# Altium PCB PCB_ovladaci_karta.PcbDoc (part 1 of 4) (continued)
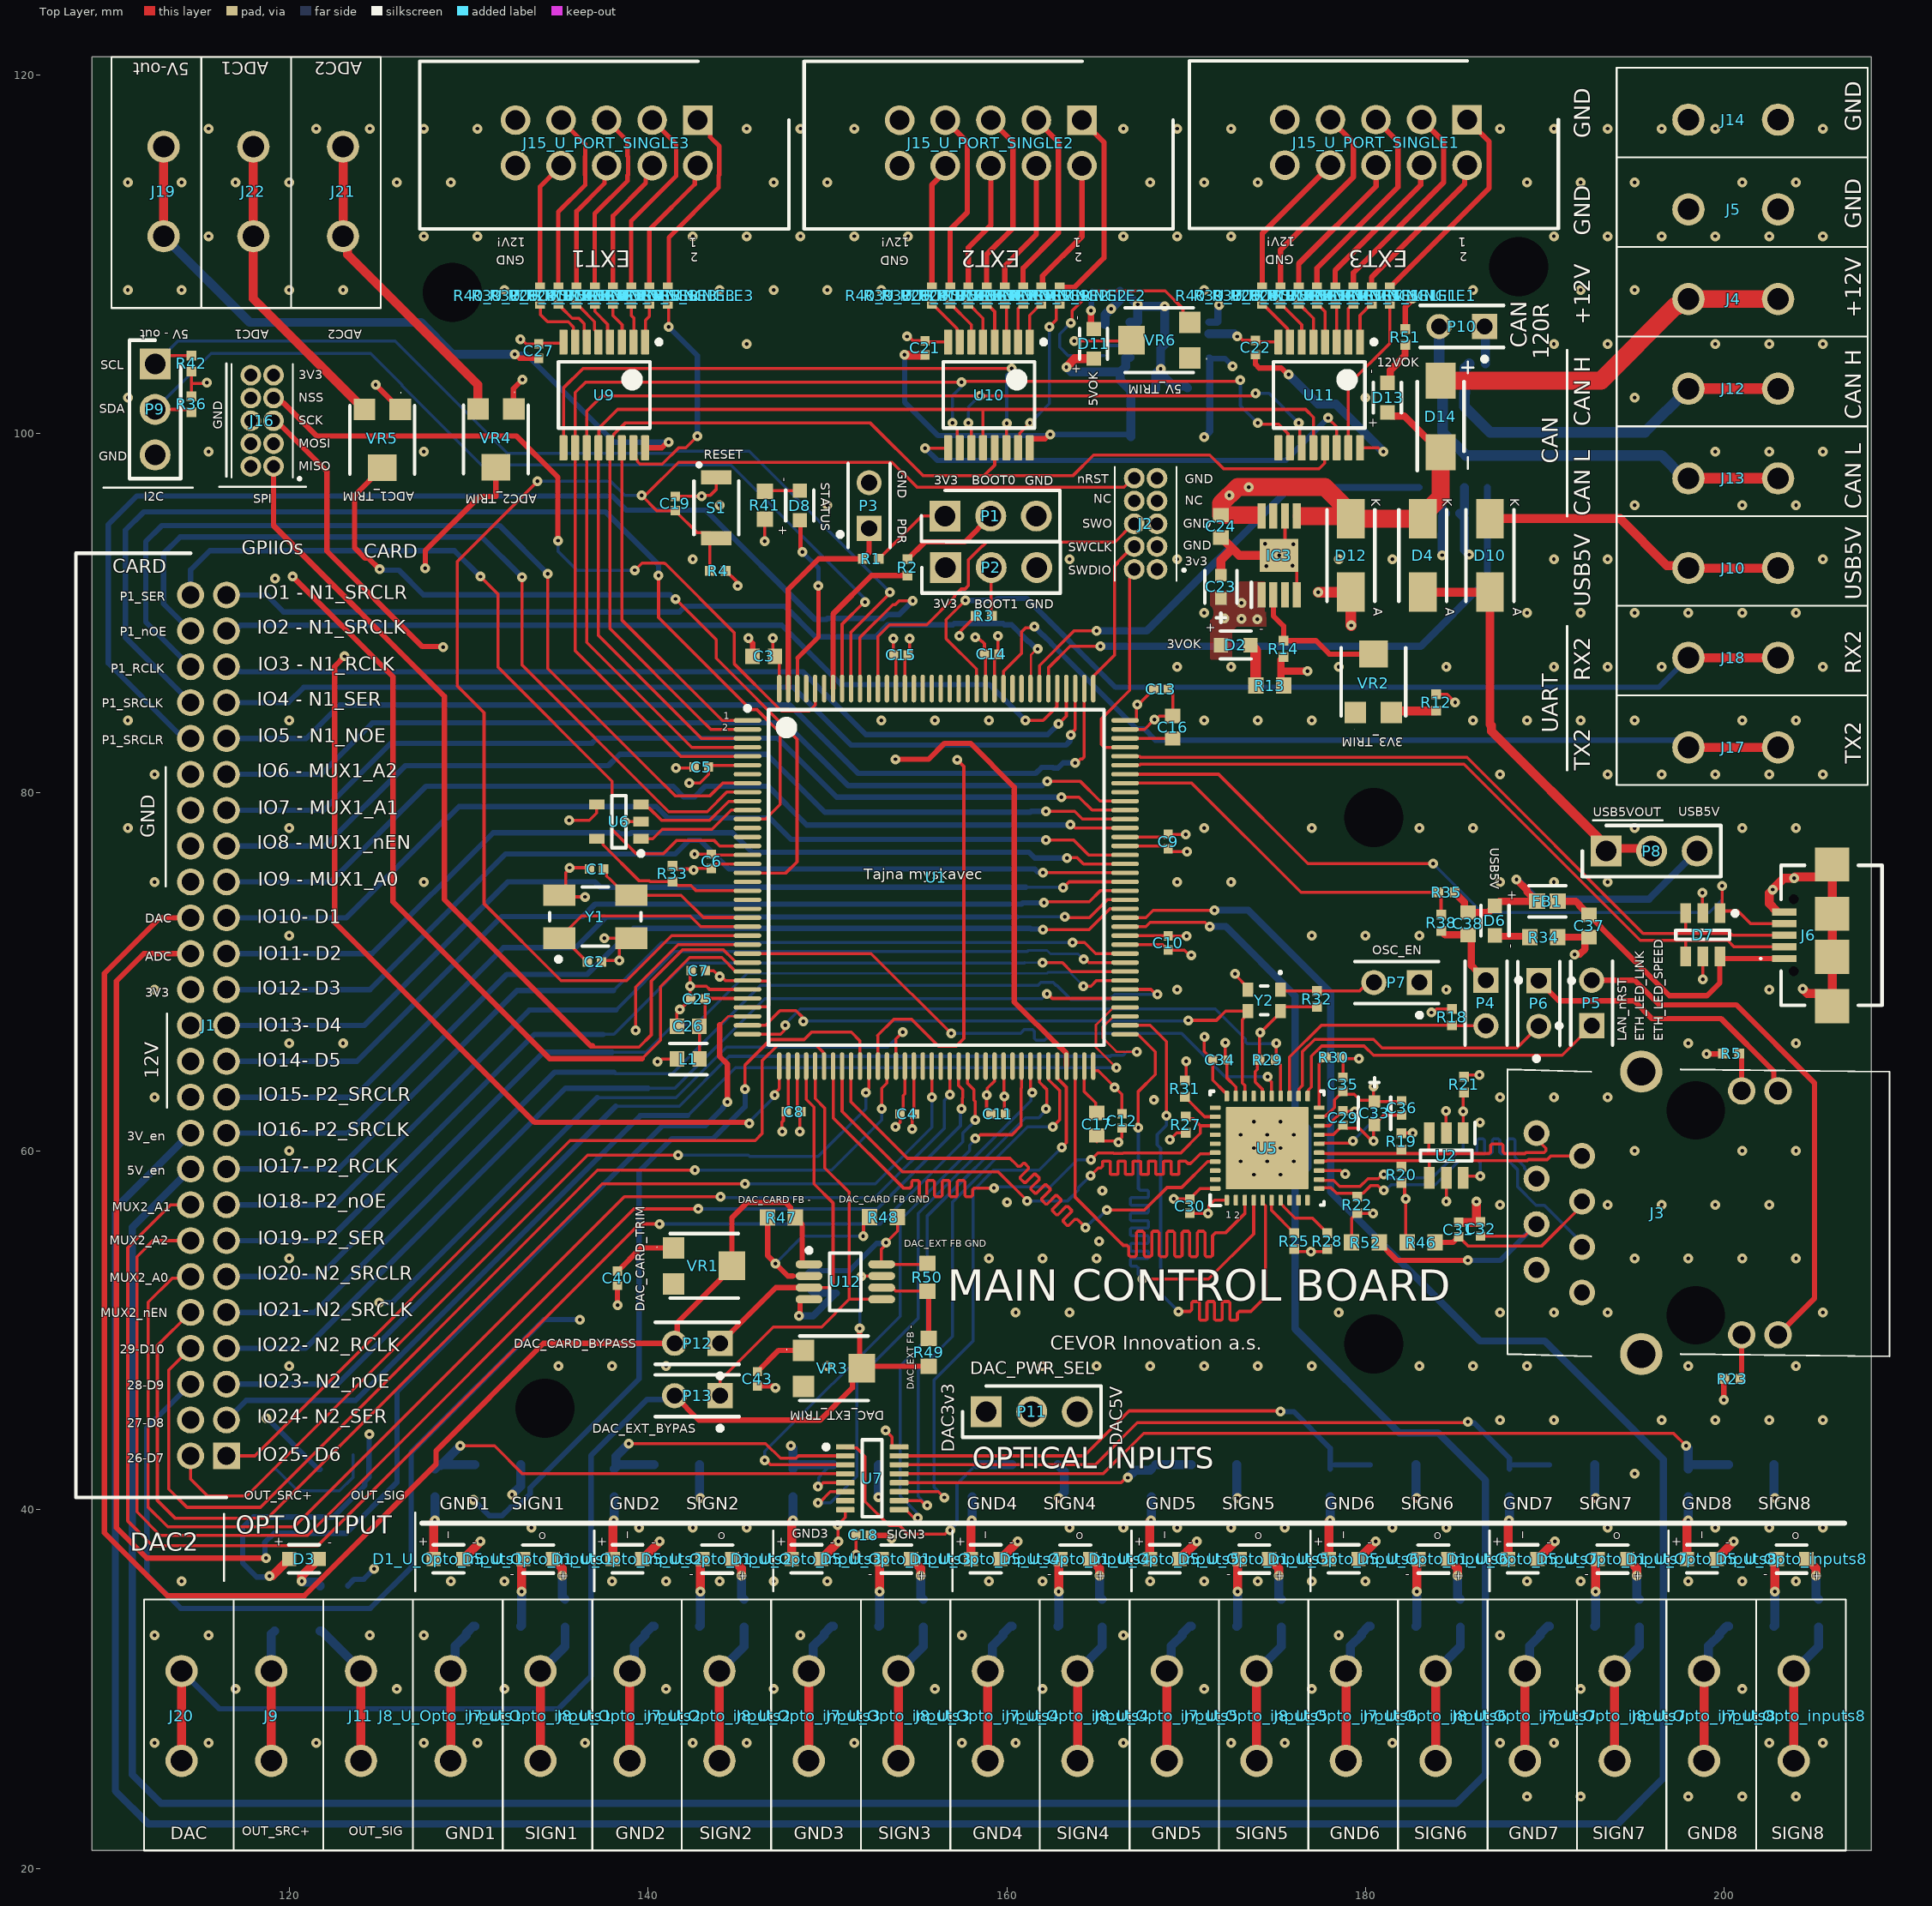
[diagram p0: Top Layer view]
## Components (designator, comment, footprint, x,y, rotation, side; value= is the part's Value field where it differs from the comment)
C1 "27pF" "0402 CAP" 137.135,75.717 r180 top
C2 "27pF" "0402 CAP" 137.014,70.536 r180 top
C3 "4.7uF" 0603-CAP 146.456,87.579 r180 top
C4 "100nF" "0402 CAP" 154.451,62.065 r180 top
C5 "100nF" "0402 CAP" 142.977,81.407 r180 top
C6 "100nF" "0402 CAP" 143.535,76.149 r90 top
C7 "100nF" "0402 CAP" 142.805,70.053 r180 top
C8 "100nF" "0402 CAP" 148.12,62.192 r180 top
C9 "100nF" "0402 CAP" 169,77.25 r270 top
C10 "100nF" "0402 CAP" 169,71.6 r270 top
C11 "100nF" "0402 CAP" 159.512,62.065 r180 top
C12 "100nF" "0402 CAP" 166.421,61.671 r270 top
C13 "100nF" "0402 CAP" 168.6,85.75 r0 top
C14 "100nF" "0402 CAP" 159.156,87.706 r0 top
C15 "100nF" "0402 CAP" 154.102,87.655 r0 top
C16 "2.2uF" 0603-CAP 169.25,83.626 r90 top
C17 "2.2uF" 0603-CAP 165.024,61.493 r270 top
C18 "100nF" "0402 CAP" 151.992,38.581 r0 top
C19 "100nF" "0402 CAP" 141.515,96.1 r90 top
C20 "100nF" "0402 CAP" 184.861,95.555 r0 bottom
C21 "100nF" "0402 CAP" 155.448,104.775 r90 top
C22 "100nF" "0402 CAP" 173.863,104.794 r90 top
C23 "10uF" 0603_TANTAL 171.936,91.452 r270 top
C24 "1uF" 0603-CAP 171.936,94.828 r270 top
C25 "100nF" "0402 CAP" 142.78,68.478 r180 top
C26 "1uF" 0603-CAP 142.24,66.954 r180 top
C27 "100nF" "0402 CAP" 133.909,104.597 r90 top
C28 "1uF" 0603-CAP 170.697,102.54 r180 bottom
C29 "100nF" "0402 CAP" 178.74,61.843 r270 top
C30 "100nF" "0402 CAP" 170.205,56.921 r90 top
C31 "100nF" "0402 CAP" 185.191,55.62 r90 top
C32 "100nF" "0402 CAP" 186.411,55.651 r90 top
C33 "10uF" 0603_TANTAL 180.5,62.1 r90 top
C34 "100nF" "0402 CAP" 171.882,65.075 r0 top
C35 "100nF" "0402 CAP" 178.74,63.716 r90 top
C36 "100nF" "0402 CAP" 182.016,62.401 r270 top
C37 "2.2uF" 0603-CAP 192.463,72.547 r270 top
C38 "2.2uF" 0603-CAP 185.713,72.671 r270 top
C39 "10uF" 0603_TANTAL 167.564,102.413 r180 bottom
C40 "100nF" "0402 CAP" 138.3,52.9 r270 top
C41 "100nF" "0402 CAP" 148.9,52.8 r90 bottom
C42 "4.7uF" 0603-CAP 150.503,52.705 r90 bottom
C43 "100nF" "0402 CAP" 146.1,47.3 r270 top
D1_U_Opto_inputs1 "RED LED - 2V2" 0603_RED_LED 128.879,37.25 r180 top value="RED LED - 2.2V" (schematic designator D1)
D1_U_Opto_inputs2 "RED LED - 2V2" 0603_RED_LED 138.86,37.25 r180 top value="RED LED - 2.2V" (schematic designator D1)
D1_U_Opto_inputs3 "RED LED - 2V2" 0603_RED_LED 148.842,37.25 r180 top value="RED LED - 2.2V" (schematic designator D1)
D1_U_Opto_inputs4 "RED LED - 2V2" 0603_RED_LED 158.824,37.25 r180 top value="RED LED - 2.2V" (schematic designator D1)
D1_U_Opto_inputs5 "RED LED - 2V2" 0603_RED_LED 168.805,37.25 r180 top value="RED LED - 2.2V" (schematic designator D1)
D1_U_Opto_inputs6 "RED LED - 2V2" 0603_RED_LED 178.787,37.25 r180 top value="RED LED - 2.2V" (schematic designator D1)
D1_U_Opto_inputs7 "RED LED - 2V2" 0603_RED_LED 188.768,37.25 r180 top value="RED LED - 2.2V" (schematic designator D1)
D1_U_Opto_inputs8 "RED LED - 2V2" 0603_RED_LED 198.75,37.25 r180 top value="RED LED - 2.2V" (schematic designator D1)
D2 "RED LED - 2V2" 0603_RED_LED 172.761,88.202 r180 top value="RED LED - 2.2V"
D3 "RED LED - 2V2" 0603_RED_LED 120.825,37.25 r180 top value="RED LED - 2.2V"
D4 "DIODE -FW:3A - 380mV, Rev: 40V" DIONM5127X229N 183.186,93.202 r270 top value="FW:3A - 380mV, Rev: 40V"
D5_U_Opto_inputs1 "RED LED - 2V2" 0603_RED_LED 133.879,37.25 r0 top value="RED LED - 2.2V" (schematic designator D5)
D5_U_Opto_inputs2 "RED LED - 2V2" 0603_RED_LED 143.86,37.25 r0 top value="RED LED - 2.2V" (schematic designator D5)
D5_U_Opto_inputs3 "RED LED - 2V2" 0603_RED_LED 153.842,37.25 r0 top value="RED LED - 2.2V" (schematic designator D5)
D5_U_Opto_inputs4 "RED LED - 2V2" 0603_RED_LED 163.824,37.25 r0 top value="RED LED - 2.2V" (schematic designator D5)
D5_U_Opto_inputs5 "RED LED - 2V2" 0603_RED_LED 173.805,37.25 r0 top value="RED LED - 2.2V" (schematic designator D5)
D5_U_Opto_inputs6 "RED LED - 2V2" 0603_RED_LED 183.787,37.25 r0 top value="RED LED - 2.2V" (schematic designator D5)
D5_U_Opto_inputs7 "RED LED - 2V2" 0603_RED_LED 193.768,37.25 r0 top value="RED LED - 2.2V" (schematic designator D5)
D5_U_Opto_inputs8 "RED LED - 2V2" 0603_RED_LED 203.75,37.25 r0 top value="RED LED - 2.2V" (schematic designator D5)
D6 "RED LED - 2V2" 0603_RED_LED 187.213,72.846 r90 top value="RED LED - 2.2V"
D7 "ESD - TVS USB" SOT23-6L 198.8,72.05 r270 top locked value="ESD for 5V USB rails"
D8 "RED LED - 2V2" 0603_RED_LED 148.463,95.987 r270 top value="RED LED - 2.2V"
D9 "DIODE -FW:3A - 380mV, Rev: 40V" DIONM5127X229N 168.968,99.822 r180 bottom value="FW:3A - 380mV, Rev: 40V"
D10 "DIODE -FW:3A - 380mV, Rev: 40V" DIONM5127X229N 186.936,93.202 r270 top value="FW:3A - 380mV, Rev: 40V"
D11 "RED LED - 2V2" 0603_RED_LED 164.846,105.004 r270 top value="RED LED - 2.2V"
D12 "DIODE -FW:3A - 380mV, Rev: 40V" DIONM5127X229N 179.186,93.202 r270 top value="FW:3A - 380mV, Rev: 40V"
D13 "RED LED - 2V2" 0603_RED_LED 181.229,102.006 r270 top value="RED LED - 2.2V"
D14 "Diode - SK53AFL-TP" SODFL5026X120N 184.186,100.952 r90 top value="Fw: 5A, 0.7V Revers: 30V"
FB1 "BLM18EG101TN1D" FERRITE_BEAD 190.137,73.921 r180 top value=100R
IC1 "LDO - Adjustable -  1A - TLV76701DGNR" SOP65P490X110-9N 169.062,105.232 r0 bottom value="Adjustable 1A LDO"
IC3 "LDO - Adjustable -  1A - TLV76701DGNR" SOP65P490X110-9N 175.186,93.202 r90 top value="Adjustable 1A LDO"
J1 "connector - 25x2 - 2x2mm - right angle" SHDRRA50W55P200_2X25_5265X640X630P_RIGHT 116.5,43 r90 top locked value="25x2 - 2x2mm -right angle"
J2 "2x5 1.27mm connector" FTSH-105-XX-YYY-D 168.377,92.431 r90 top value="2x5 1.27mm x 1.27mm"
J3 "RJ45 base-100T connector" "ARJM11D7009ABEW2 - better3D" 189.53,60.995 r90 top locked value="100BASE-T with magnetics"
J4 "WAGO - single - 236-401" WAGO-236-601 198,107.5 r0 top value="24A 320V"
J5 "WAGO - single - 236-401" WAGO-236-601 198,112.5 r0 top value="24A 320V"
J6 "USB - micro connector" USB_MICRO 205.981,72.026 r90 top locked value="USB 2.0 Type B"
J7_U_Opto_inputs1 "WAGO - single - 236-401" WAGO-236-601 134,31 r270 top value="24A 320V" (schematic designator J7)
J7_U_Opto_inputs2 "WAGO - single - 236-401" WAGO-236-601 143.982,31 r270 top value="24A 320V" (schematic designator J7)
J7_U_Opto_inputs3 "WAGO - single - 236-401" WAGO-236-601 153.963,31 r270 top value="24A 320V" (schematic designator J7)
J7_U_Opto_inputs4 "WAGO - single - 236-401" WAGO-236-601 163.945,31 r270 top value="24A 320V" (schematic designator J7)
J7_U_Opto_inputs5 "WAGO - single - 236-401" WAGO-236-601 173.926,31 r270 top value="24A 320V" (schematic designator J7)
J7_U_Opto_inputs6 "WAGO - single - 236-401" WAGO-236-601 183.908,31 r270 top value="24A 320V" (schematic designator J7)
J7_U_Opto_inputs7 "WAGO - single - 236-401" WAGO-236-601 193.89,31 r270 top value="24A 320V" (schematic designator J7)
J7_U_Opto_inputs8 "WAGO - single - 236-401" WAGO-236-601 203.871,31 r270 top value="24A 320V" (schematic designator J7)
J8_U_Opto_inputs1 "WAGO - single - 236-401" WAGO-236-601 129,31 r270 top value="24A 320V" (schematic designator J8)
J8_U_Opto_inputs2 "WAGO - single - 236-401" WAGO-236-601 138.982,31 r270 top value="24A 320V" (schematic designator J8)
J8_U_Opto_inputs3 "WAGO - single - 236-401" WAGO-236-601 148.963,31 r270 top value="24A 320V" (schematic designator J8)
J8_U_Opto_inputs4 "WAGO - single - 236-401" WAGO-236-601 158.945,31 r270 top value="24A 320V" (schematic designator J8)
J8_U_Opto_inputs5 "WAGO - single - 236-401" WAGO-236-601 168.926,31 r270 top value="24A 320V" (schematic designator J8)
J8_U_Opto_inputs6 "WAGO - single - 236-401" WAGO-236-601 178.908,31 r270 top value="24A 320V" (schematic designator J8)
J8_U_Opto_inputs7 "WAGO - single - 236-401" WAGO-236-601 188.89,31 r270 top value="24A 320V" (schematic designator J8)
J8_U_Opto_inputs8 "WAGO - single - 236-401" WAGO-236-601 198.871,31 r270 top value="24A 320V" (schematic designator J8)
J9 "WAGO - single - 236-401" WAGO-236-601 119,31 r270 top value="24A 320V"
J10 "WAGO - single - 236-401" WAGO-236-601 198,92.5 r0 top value="24A 320V"
J11 "WAGO - single - 236-401" WAGO-236-601 124,31 r270 top value="24A 320V"
J12 "WAGO - single - 236-401" WAGO-236-601 198,102.5 r0 top value="24A 320V"
J13 "WAGO - single - 236-401" WAGO-236-601 198,97.5 r0 top value="24A 320V"
J14 "WAGO - single - 236-401" WAGO-236-601 198,117.5 r0 top value="24A 320V"
J15_U_PORT_SINGLE1 "2x5 2.54mm connector" SHDR10W64P254_2X5_2032X910X935P 185.664,117.5 r180 top locked value="2x5position -  2.54x2.54mm connector" (schematic designator J15)
J15_U_PORT_SINGLE2 "2x5 2.54mm connector" SHDR10W64P254_2X5_2032X910X935P 164.192,117.471 r180 top locked value="2x5position -  2.54x2.54mm connector" (schematic designator J15)
J15_U_PORT_SINGLE3 "2x5 2.54mm connector" SHDR10W64P254_2X5_2032X910X935P 142.773,117.475 r180 top locked value="2x5position -  2.54x2.54mm connector" (schematic designator J15)
J16 "2x5 1.27mm connector" FTSH-105-XX-YYY-D 119.126,98.171 r90 top value="2x5 1.27mm x 1.27mm"
J17 "WAGO - single - 236-401" WAGO-236-601 198,82.5 r0 top value="24A 320V"
J18 "WAGO - single - 236-401" WAGO-236-601 198,87.5 r0 top value="24A 320V"
J19 "WAGO - single - 236-401" WAGO-236-601 113,111 r90 top value="24A 320V"
J20 "WAGO - single - 236-401" WAGO-236-601 114,31 r270 top value="24A 320V"
J21 "WAGO - single - 236-401" WAGO-236-601 123,111 r90 top value="24A 320V"
J22 "WAGO - single - 236-401" WAGO-236-601 118,111 r90 top value="24A 320V"
L1 "27nH" 0603-INDUCT 142.249,65.126 r0 top
P1 "3x1 2.54mm" "3x1 2.54mm header" 156.566,95.402 r0 top
P2 "3x1 2.54mm" "3x1 2.54mm header" 156.591,92.532 r0 top
P3 "2x1 2.54mm" "2.54MM HEADER 2X1" 152.324,95.987 r90 top
P4 "2x1 2.54mm" "2.54mm header 2x1" 186.715,68.25 r270 top
P5 "2x1 2.54mm" "2.54mm header 2x1" 192.608,68.25 r90 top
P6 "2x1 2.54mm" "2.54mm header 2x1" 189.662,68.224 r270 top
P7 "2x1 2.54mm" "2.54mm header 2x1" 181.737,69.393 r180 top
P8 "3x1 2.54mm" "3x1 2.54mm header" 193.408,76.721 r0 top
P9 "3x1 2.54mm" "3x1 2.54mm header" 112.522,103.886 r270 top
P10 "2x1 2.54mm" "2.54MM HEADER 2X1" 185.369,105.969 r180 top
P11 "3x1 2.54mm" "3x1 2.54mm header" 158.852,45.466 r0 top
P12 "2x1 2.54mm" "2.54MM HEADER 2X1" 142.748,49.276 r180 top
P13 "2x1 2.54mm" "2.54MM HEADER 2X1" 142.748,46.355 r180 top
R1 "10k" RESC1005X40X25NL05T05 152.425,93.015 r180 top
R2 "10k" RESC1005X40X25NL05T05 154.457,92.532 r270 top
R3 "10k" RESC1005X40X25NL05T05 158.725,89.84 r180 top
R4 "10k" RESC1005X40X25NL05T05 143.891,92.354 r180 top
R5 "270R" RESC1005X40X25NL05T05 200.381,65.43 r0 top
R6_U_Opto_inputs1 "1k" "0603- SMD RESISTOR" 128.129,41.5 r90 bottom (schematic designator R6)
R6_U_Opto_inputs2 "1k" "0603- SMD RESISTOR" 138.11,41.5 r90 bottom (schematic designator R6)
R6_U_Opto_inputs3 "1k" "0603- SMD RESISTOR" 148.092,41.5 r90 bottom (schematic designator R6)
R6_U_Opto_inputs4 "1k" "0603- SMD RESISTOR" 158.074,41.5 r90 bottom (schematic designator R6)
R6_U_Opto_inputs5 "1k" "0603- SMD RESISTOR" 168.055,41.5 r90 bottom (schematic designator R6)
R6_U_Opto_inputs6 "1k" "0603- SMD RESISTOR" 178.037,41.5 r90 bottom (schematic designator R6)
R6_U_Opto_inputs7 "1k" "0603- SMD RESISTOR" 188.018,41.5 r90 bottom (schematic designator R6)
R6_U_Opto_inputs8 "1k" "0603- SMD RESISTOR" 198,41.5 r90 bottom (schematic designator R6)
R7 "1k5" RESC1005X40X25NL05T05 124,41.8 r180 bottom
R8 "1k5" RESC1005X40X25NL05T05 124,43.05 r180 bottom
R9 "1k" "0603- SMD RESISTOR" 122.5,35.75 r180 bottom
R10 "120R" RESC1005X40X25NL05T05 186.233,103.886 r180 bottom
R11_U_Opto_inputs1 "1k" "0603- SMD RESISTOR" 135.379,34.223 r90 bottom (schematic designator R11)
R11_U_Opto_inputs2 "1k" "0603- SMD RESISTOR" 145.36,34.223 r90 bottom (schematic designator R11)
R11_U_Opto_inputs3 "1k" "0603- SMD RESISTOR" 155.342,34.223 r90 bottom (schematic designator R11)
R11_U_Opto_inputs4 "1k" "0603- SMD RESISTOR" 165.324,34.223 r90 bottom (schematic designator R11)
R11_U_Opto_inputs5 "1k" "0603- SMD RESISTOR" 175.305,34.223 r90 bottom (schematic designator R11)
R11_U_Opto_inputs6 "1k" "0603- SMD RESISTOR" 185.287,34.223 r90 bottom (schematic designator R11)
R11_U_Opto_inputs7 "1k" "0603- SMD RESISTOR" 195.268,34.223 r90 bottom (schematic designator R11)
R11_U_Opto_inputs8 "1k" "0603- SMD RESISTOR" 205.25,34.223 r90 bottom (schematic designator R11)
R12 "16k" RESC1005X40X25NL05T05 183.936,85.002 r270 top
R13 "1k" "0603- SMD RESISTOR" 174.659,85.952 r180 top
R14 "4.7k" RESC1005X40X25NL05T05 175.436,88.002 r270 top
R15_U_PORT_SINGLE1 "270R" RESC1005X40X25NL05T05 181.356,107.696 r270 top (schematic designator R15)
R15_U_PORT_SINGLE2 "270R" RESC1005X40X25NL05T05 162.941,107.696 r270 top (schematic designator R15)
R15_U_PORT_SINGLE3 "270R" RESC1005X40X25NL05T05 141.097,107.696 r270 top (schematic designator R15)
R16_U_PORT_SINGLE1 "270R" RESC1005X40X25NL05T05 180.34,107.696 r90 top (schematic designator R16)
R16_U_PORT_SINGLE2 "270R" RESC1005X40X25NL05T05 161.925,107.696 r90 top (schematic designator R16)
R16_U_PORT_SINGLE3 "270R" RESC1005X40X25NL05T05 140.081,107.696 r90 top (schematic designator R16)
R17_U_PORT_SINGLE1 "270R" RESC1005X40X25NL05T05 179.324,107.696 r270 top (schematic designator R17)
R17_U_PORT_SINGLE2 "270R" RESC1005X40X25NL05T05 160.909,107.696 r270 top (schematic designator R17)
R17_U_PORT_SINGLE3 "270R" RESC1005X40X25NL05T05 139.065,107.696 r270 top (schematic designator R17)
R18 "10k" RESC1005X40X25NL05T05 184.81,67.462 r270 top
R19 "49.9R" RESC1005X40X25NL05T05 181.991,60.528 r270 top
R20 "49.9R" RESC1005X40X25NL05T05 181.991,58.674 r90 top
R21 "49.9R" RESC1005X40X25NL05T05 185.5,63.7 r270 top
R22 "49.9R" RESC1005X40X25NL05T05 179.527,56.998 r90 top
R23 "270R" RESC1005X40X25NL05T05 200.457,47.295 r0 top
R24_U_PORT_SINGLE1 "270R" RESC1005X40X25NL05T05 178.308,107.696 r90 top (schematic designator R24)
R24_U_PORT_SINGLE2 "270R" RESC1005X40X25NL05T05 159.893,107.696 r90 top (schematic designator R24)
R24_U_PORT_SINGLE3 "270R" RESC1005X40X25NL05T05 138.049,107.696 r90 top (schematic designator R24)
R25 "2k2" RESC1005X40X25NL05T05 176.022,54.973 r270 top
R26_U_PORT_SINGLE1 "270R" RESC1005X40X25NL05T05 177.292,107.696 r270 top (schematic designator R26)
R26_U_PORT_SINGLE2 "270R" RESC1005X40X25NL05T05 158.877,107.696 r270 top (schematic designator R26)
R26_U_PORT_SINGLE3 "270R" RESC1005X40X25NL05T05 137.033,107.696 r270 top (schematic designator R26)
R27 "2k2" RESC1005X40X25NL05T05 169.977,61.468 r90 top
R28 "2k2" RESC1005X40X25NL05T05 177.876,54.973 r270 top
R29 "1k5" RESC1005X40X25NL05T05 174.549,65.075 r0 top
R30 "4.87k" RESC1005X40X25NL05T05 178.232,65.227 r180 top
R31 "2k2" RESC1005X40X25NL05T05 169.926,63.467 r270 top
R32 "10k" RESC1005X40X25NL05T05 177.292,68.478 r270 top
R33 "10k" RESC1005X40X25NL05T05 141.376,75.463 r270 top
R34 "1k" "0603- SMD RESISTOR" 189.936,71.921 r180 top
R35 "4.87k" RESC1005X40X25NL05T05 184.513,74.421 r180 top
R36 "4.87k" RESC1005X40X25NL05T05 114.554,101.633 r270 top
R37_U_PORT_SINGLE1 "270R" RESC1005X40X25NL05T05 176.276,107.696 r90 top (schematic designator R37)
R37_U_PORT_SINGLE2 "270R" RESC1005X40X25NL05T05 157.861,107.696 r90 top (schematic designator R37)
R37_U_PORT_SINGLE3 "270R" RESC1005X40X25NL05T05 136.017,107.696 r90 top (schematic designator R37)
R38 "10k" RESC1005X40X25NL05T05 184.213,72.721 r270 top
R39_U_PORT_SINGLE1 "270R" RESC1005X40X25NL05T05 175.26,107.696 r270 top (schematic designator R39)
R39_U_PORT_SINGLE2 "270R" RESC1005X40X25NL05T05 156.845,107.696 r270 top (schematic designator R39)
R39_U_PORT_SINGLE3 "270R" RESC1005X40X25NL05T05 135.001,107.696 r270 top (schematic designator R39)
R40_U_PORT_SINGLE1 "270R" RESC1005X40X25NL05T05 174.244,107.696 r90 top (schematic designator R40)
R40_U_PORT_SINGLE2 "270R" RESC1005X40X25NL05T05 155.829,107.696 r90 top (schematic designator R40)
R40_U_PORT_SINGLE3 "270R" RESC1005X40X25NL05T05 133.985,107.696 r90 top (schematic designator R40)
R41 "1k" "0603- SMD RESISTOR" 146.51,96.004 r90 top
R42 "4.87k" RESC1005X40X25NL05T05 114.554,103.904 r90 top
R43 "27k" RESC1005X40X25NL05T05 165.43,103.886 r90 bottom
R44 "1k" "0603- SMD RESISTOR" 165.532,107.925 r180 bottom
R45 "4.7k" RESC1005X40X25NL05T05 165.456,105.639 r90 bottom
R46 "0R" "0603- SMD resistor" 183.1,54.9 r180 top
R47 "0R" "0603- SMD resistor" 147.447,56.286 r0 top
R48 "0R" "0603- SMD resistor" 153.137,56.312 r180 top
R49 "0R" "0603- SMD resistor" 155.651,48.768 r270 top
R50 "0R" "0603- SMD resistor" 155.575,52.959 r270 top
R51 "10k" RESC1005X40X25NL05T05 182.22,105.385 r270 top
R52 "0R" "0603- SMD resistor" 180,54.9 r180 top
S1 "Button" B3U-1000P 143.815,95.86 r90 top value="2 poles button - 12V 50mA"
U1 "STM32F407ZGT6" STM-LQFP144_L 156.07,75.255 r0 top locked value="Cortex - M4 uC"
U2 "ESD - SOT-23-6- TVSPACK - USBLC6-4SC6" SOT95P280X145-6N 184.5,59.75 r270 top locked value="Operate:5.25V, Br: 6V, Clamp 17V"
U3_U_Opto_inputs1 "LTV-816S-TA1" LTST-LTV-816S_V 131.629,38 r90 bottom value="output 80V 50mA, Input  1.2V" (schematic designator U3)
U3_U_Opto_inputs2 "LTV-816S-TA1" LTST-LTV-816S_V 141.61,38 r90 bottom value="output 80V 50mA, Input  1.2V" (schematic designator U3)
U3_U_Opto_inputs3 "LTV-816S-TA1" LTST-LTV-816S_V 151.592,38.041 r90 bottom value="output 80V 50mA, Input  1.2V" (schematic designator U3)
U3_U_Opto_inputs4 "LTV-816S-TA1" LTST-LTV-816S_V 161.574,38 r90 bottom value="output 80V 50mA, Input  1.2V" (schematic designator U3)
U3_U_Opto_inputs5 "LTV-816S-TA1" LTST-LTV-816S_V 171.555,38 r90 bottom value="output 80V 50mA, Input  1.2V" (schematic designator U3)
U3_U_Opto_inputs6 "LTV-816S-TA1" LTST-LTV-816S_V 181.537,38 r90 bottom value="output 80V 50mA, Input  1.2V" (schematic designator U3)
U3_U_Opto_inputs7 "LTV-816S-TA1" LTST-LTV-816S_V 191.518,38 r90 bottom value="output 80V 50mA, Input  1.2V" (schematic designator U3)
U3_U_Opto_inputs8 "LTV-816S-TA1" LTST-LTV-816S_V 201.5,38 r90 bottom value="output 80V 50mA, Input  1.2V" (schematic designator U3)
U4 "LTV-816S-TA1" LTST-LTV-816S_V 120.447,37.744 r270 bottom value="output 80V 50mA, Input  1.2V"
U5 "DP83848JSQ/NOPB" RTA0040A_V 174.517,60.156 r90 top locked value="10/100BASE-T PHY"
U6 "AT24MAC602-STUM-T - MAC EEPROM" ATML-5TS1_L 138.379,78.359 r180 top locked value="EEPROM, 2-Kbit, I2C, with MAC"
U7 "MUX -  SOT-23 - TMUX1308QDYYRQ1" FP-DYY0016A-MFG 152.5,41.75 r0 top value="8:1 MUX"
U8 "SN65HVD232D" D0008A_L 184.887,99.619 r90 bottom value="1Mbit CAN , 3-3.6VDC"
U9 "ShiftRegister - SN74AHCT595PWR" SSOT16 137.562,102.152 r270 top locked value="8bit - 5VPwr - 3V3 compatible logic"
U10 "ShiftRegister - SN74AHCT595PWR" SSOT16 159.004,102.152 r270 top locked value="8bit - 5VPwr - 3V3 compatible logic"
U11 "ShiftRegister - SN74AHCT595PWR" SSOT16 177.419,102.152 r270 top locked value="8bit - 5VPwr - 3V3 compatible logic"
U12 "AD8532ARMZ-REEL" ADI-RM-8_L 151.003,52.705 r0 top value="RAIL TO RAIL OPAMP 3-6V"
VR1 "1k Trimmer" TC33X2503E 143.129,53.594 r270 top value=1k
VR2 "5k Trimmer" TC33X2503E 180.436,86.152 r0 top value=5k
VR3 "1k Trimmer" TC33X2503E 150.368,47.879 r270 top value=1k
VR4 "50k Trimmer" TC33X2503E 131.521,99.67 r180 top value=50k
VR5 "50k Trimmer" TC33X2503E 125.187,99.646 r180 top value=50k
VR6 "5k Trimmer" TC33X2503E 168.503,105.207 r90 top value=5k
Y1 "8MHz" 4_PIN_OSCILATOR 137.065,73.063 r0 top locked
Y2 "50MHz_oscilator" KC2016Z500000C15XXK 174.35,68.4 r180 top value=50MHz

## Footprints (in the part's own frame and the unit in brackets; to place one, negate y for a bottom-side part, rotate by r counter-clockwise, add the part's x,y. Pads: shape width x height; smd on the part's side, far side on the other; paste and mask are expansions set on the pad)
"2.54MM HEADER 2X1" [mm] "Connector, 2-Leads, Body 4.67x2.34mm, Pitch 2.54mm"
  rect 1.4x1.4 hole 0.89: 1(-1.27,0)
  round 1.4 hole 0.89: 2(1.27,0)
  silkscreen extent -2.33,-1.17 2.33,1.74, body extent -2.34,-1.17 2.34,1.17, height 5.33
"2.54mm header 2x1" [mm] "Connector, 2-Leads, Body 4.67x2.34mm, Pitch 2.54mm"
  rect 1.4x1.4 hole 0.89: 1(-1.27,0)
  round 1.4 hole 0.89: 2(1.27,0)
  silkscreen extent -2.33,-1.17 2.33,1.94, body extent -2.34,-1.17 2.34,1.17, height 5.33
"3x1 2.54mm header" [mm]
  rect 1.725x1.725 hole 1.15: 1(0,0)
  round 1.725 hole 1.15: 2(2.54,0) 3(5.08,0)
  silkscreen extent -1.32,-1.43 6.4,1.43, body extent -1.07,-1.17 6.15,1.17, height 8.12
4_PIN_OSCILATOR [mm]
  rect 1.8x1.2 smd paste+0 mask+0: 1(-2,-1.2) 2(2,-1.2) 3(2,1.2) 4(-2,1.2)
  silkscreen extent -2.55,-2.5 2.55,1.65, body extent -3,-1.9 3,1.9, height 0.25
"0402 CAP" [mm]
  rect 0.52x0.52 smd paste+0 mask+0: 1(-0.4,0) 2(0.4,0)
  body extent -0.8,-0.4 0.8,0.4, height 0.25
"0603- SMD RESISTOR" [mm]
  rect 0.859x0.912 smd paste+0 mask+0: 1(-0.777,0) 2(0.777,0)
  body extent -0.8,-0.4 0.8,0.4, height 0.55
"0603- SMD resistor" [mm]
  rect 0.859x0.912 smd paste+0 mask+0: 1(-0.777,0) 2(0.777,0)
  body extent -1.46,-0.71 1.46,0.71, height 0.25
0603-CAP [mm]
  rect 0.807x0.868 smd paste+0 mask+0: 1(-0.626,0) 2(0.626,0)
  body extent -1.13,-0.58 1.13,0.58, height 0.25
0603-INDUCT [mm]
  rect 0.806x0.858 smd paste+0 mask+0: 1(-0.626,0) 2(0.626,0)
  silkscreen extent -1.03,-0.87 1.03,0.87, body extent -1.13,-0.58 1.13,0.58, height 0.25
0603_RED_LED [mm]
  rect 0.8x0.8 smd paste+0 mask+0: 1(-0.825,0) 2(0.825,0)
  silkscreen extent -0.85,-0.79 0.85,0.77, body extent -1.33,-0.55 1.33,0.55, height 0.25
0603_TANTAL [mm]
  rect 0.7x0.65 smd paste+0 mask+0: 1(-0.65,0) 2(0.65,0)
  silkscreen extent -0.9,-0.9 1.97,0.9, body extent -1.1,-0.63 1.1,0.63, height 0.25
ADI-RM-8_L [mm] "SOP, 8-Leads, Body 3x3mm, Pitch 0.65mm, IPC High Density"
  oval 1.5x0.45 smd: 1(-2.025,0.975) 2(-2.025,0.325) 3(-2.025,-0.325) 4(-2.025,-0.975) 5(2.025,-0.975) 6(2.025,-0.325) 7(2.025,0.325) 8(2.025,0.975)
  silkscreen extent -2.15,-1.6 0.87,1.87, body extent -1.6,-1.6 1.6,1.6, height 1.1
"ARJM11D7009ABEW2 - better3D" [mm]
  round 1.446 hole 0.89: 1(0,0) 2(-1.27,-2.54) 3(-2.54,0) 4(-3.81,-2.54) 5(-5.08,0) 6(-6.35,-2.54) 7(-7.62,0) 8(-8.89,-2.54)
  round 1.53 hole 1.02: L1(-11.245,-11.44) L2(-11.245,-13.47) L3(2.355,-11.44) L4(2.355,-13.47)
  round 2.355 hole 1.57: MH1(-12.32,-5.84) MH2(3.43,-5.84)
  round 1.625 hole 3.25 unplated: MH3(-10.16,-8.89) MH4(1.27,-8.89)
  silkscreen extent -12.44,-19.69 4.26,1.61, body extent -12.51,-19.78 3.65,1.82, height 13.06
ATML-5TS1_L [mm] "SOT23, 5-Leads, Body 2.9x1.6mm, Pitch 0.95mm, IPC High Density"
  rect 0.85x0.55 smd: 1(-1.225,0.95) 2(-1.225,0) 3(-1.225,-0.95) 4(1.225,-0.95) 5(1.225,0.95)
  silkscreen extent -1.35,-1.45 0.4,1.9, body extent -1.5,-1.45 1.5,1.45, height 1
B3U-1000P [mm]
  rect 0.8x1.7 smd: 1(1.7,0) 2(-1.7,0)
  silkscreen extent -1.5,-1.25 2.49,1.25, body extent -2,-1.25 2,1.25, height 1.6
D0008A_L [mm] "SOIC, 8-Leads, Body 5x4mm, Pitch 1.27mm, IPC High Density"
  rrect18% 1.25x0.55 smd: 1(-2.625,1.905) 2(-2.625,0.635) 3(-2.625,-0.635) 4(-2.625,-1.905) 5(2.625,-1.905) 6(2.625,-0.635) 7(2.625,0.635) 8(2.625,1.905)
  silkscreen extent -2.75,-2.5 1.6,2.86, body extent -3,-2.45 3,2.45, height 1.63
DIONM5127X229N [mm]
  rect 2.2x1.55 smd: 1(-2.05,0) 2(2.05,0)
  silkscreen extent -2.55,-1.33 2.55,1.33, body extent -2.55,-1.33 2.55,1.33, height 2.29
FERRITE_BEAD [mm]
  rect 0.906x0.858 smd paste+0 mask+0: 1(-0.576,0) 2(0.576,0)
  silkscreen extent -1.03,-0.87 1.03,0.87, body extent -1.13,-0.58 1.13,0.58, height 0.25
FP-DYY0016A-MFG [mm]
  rrect33% 1.05x0.3 smd paste+0 mask+0: 1(-1.5,1.75) 2(-1.5,1.25) 3(-1.5,0.75) 4(-1.5,0.25) 5(-1.5,-0.25) 6(-1.5,-0.75) 7(-1.5,-1.25) 8(-1.5,-1.75) 9(1.5,-1.75) 10(1.5,-1.25) 11(1.5,-0.75) 12(1.5,-0.25) 13(1.5,0.25) 14(1.5,0.75) 15(1.5,1.25) 16(1.5,1.75)
  silkscreen extent -2.7,-2.15 0.55,2.15, body extent -2.12,-2.4 2.12,2.4, height 0.25
FTSH-105-XX-YYY-D [mm]
  round 1.15 hole 0.71: 1(0,0) 2(0,1.27) 3(1.27,0) 4(1.27,1.27) 5(2.54,0) 6(2.54,1.27) 7(3.81,0) 8(3.81,1.27) 9(5.08,0) 10(5.08,1.27)
  silkscreen extent -0.64,-1.55 5.71,2.35, body extent -0.67,-1.11 5.68,2.31, height 4.79
KC2016Z500000C15XXK [mm]
  rect 0.6x0.8 smd: 1(-0.9,-0.6) 2(0.9,-0.6) 3(0.9,0.6) 4(-0.9,0.6)
  silkscreen extent -0.95,-1.6 0.2,0.8, body extent -1.14,-0.94 1.14,0.94, height 1.1
LTST-LTV-816S_V [mm] "SMD, 4-Leads, Body 6.5x4.6mm, Pitch 2.54mm"
  rect 1.3x1.5 smd: 1(-4.5,1.27) 2(-4.5,-1.27) 3(4.5,-1.27) 4(4.5,1.27)
  silkscreen extent -5.82,-2.3 3.25,2.3, body extent -3.25,-2.3 3.25,2.3, height 4
RESC1005X40X25NL05T05 [mm] "Chip Resistor, 2-Leads, Body 1.00x0.50mm, IPC Medium Density"
  rect 0.55x0.55 smd: 1(-0.45,0) 2(0.45,0)
  body extent -0.53,-0.27 0.53,0.28, height 0.4
RTA0040A_V [mm] "QFN, 40-Leads, Body 6x6mm, Pitch 0.5mm, NSC Recommended"
  rrect40% 0.6x0.25 smd: 1(-2.9,2.25) 2(-2.9,1.75) 3(-2.9,1.25) 4(-2.9,0.75) 5(-2.9,0.25) 6(-2.9,-0.25) 7(-2.9,-0.75) 8(-2.9,-1.25) 9(-2.9,-1.75) 10(-2.9,-2.25) 21(2.9,-2.25) 22(2.9,-1.75) 23(2.9,-1.25) 24(2.9,-0.75) 25(2.9,-0.25) 26(2.9,0.25) 27(2.9,0.75) 28(2.9,1.25) 29(2.9,1.75) 30(2.9,2.25)
  rrect40% 0.25x0.6 smd: 11(-2.25,-2.9) 12(-1.75,-2.9) 13(-1.25,-2.9) 14(-0.75,-2.9) 15(-0.25,-2.9) 16(0.25,-2.9) 17(0.75,-2.9) 18(1.25,-2.9) 19(1.75,-2.9) 20(2.25,-2.9) 31(2.25,2.9) 32(1.75,2.9) 33(1.25,2.9) 34(0.75,2.9) 35(0.25,2.9) 36(-0.25,2.9) 37(-0.75,2.9) 38(-1.25,2.9) 39(-1.75,2.9) 40(-2.25,2.9)
  rrect2% 4.6x4.6 smd paste-2.3: 41(0,0)
  silkscreen extent -3.2,-3.18 3.18,3.18, body extent -3.05,-3.05 3.05,3.05, height 0.8
SHDR10W64P254_2X5_2032X910X935P [mm]
  rect 1.65x1.65 hole 1.1: 1(0,0)
  round 1.65 hole 1.1: 2(0,2.54) 3(2.54,0) 4(2.54,2.54) 5(5.08,0) 6(5.08,2.54) 7(7.62,0) 8(7.62,2.54) 9(10.16,0) 10(10.16,2.54)
  silkscreen extent -5.08,-3.28 15.49,6.07, body extent -4.96,-3.16 15.36,5.95, height 9.1
SHDRRA50W55P200_2X25_5265X640X630P_RIGHT [mm]
  rect 1.5x1.5 hole 1: 1(0,0)
  round 1.5 hole 1: 2(0,2) 3(2,0) 4(2,2) 5(4,0) 6(4,2) 7(6,0) 8(6,2) 9(8,0) 10(8,2) 11(10,0) 12(10,2) 13(12,0) 14(12,2) 15(14,0) 16(14,2) 17(16,0) 18(16,2) 19(18,0) 20(18,2) 21(20,0) 22(20,2) 23(22,0) 24(22,2) 25(24,0) 26(24,2) 27(26,0) 28(26,2) 29(28,0) 30(28,2) 31(30,0) 32(30,2) 33(32,0) 34(32,2) 35(34,0) 36(34,2) 37(36,0) 38(36,2) 39(38,0) 40(38,2) 41(40,0) 42(40,2) 43(42,0) 44(42,2) 45(44,0) 46(44,2) 47(46,0) 48(46,2) 49(48,0) 50(48,2)
  silkscreen extent -2.32,0 50.32,8.4, body extent -2.32,-0.22 50.32,8.43, height 6.29
SODFL5026X120N [mm]
  rect 2.02x1.67 smd: 1(-2,0) 2(2,0)
  silkscreen extent -3.01,-1.84 3.06,1.3, body extent -2.5,-1.3 2.5,1.3, height 1.2
SOP65P490X110-9N [mm]
  rect 1.4x0.45 smd: 1(-2.2,0.975) 2(-2.2,0.325) 3(-2.2,-0.325) 4(-2.2,-0.975) 5(2.2,-0.975) 6(2.2,-0.325) 7(2.2,0.325) 8(2.2,0.975)
  rect 1.846x2.15 smd: 9(0,0)
  silkscreen extent -2.9,1.55 -1.5,1.55, body extent -2.45,-1.5 2.45,1.5, height 1.07
SOT23-6L [mm]
  rect 1.1x0.6 smd: 1(-1.2,0.95) 2(-1.2,0) 3(-1.2,-0.95) 4(1.2,-0.95) 5(1.2,0) 6(1.2,0.95)
  silkscreen extent -1.32,-1.5 0.25,1.93, body extent -0.86,-1.51 0.87,1.52, height 1.25
SOT95P280X145-6N [mm]
  rect 1.2x0.6 smd: 1(-1.25,0.95) 2(-1.25,0) 3(-1.25,-0.95) 4(1.25,-0.95) 5(1.25,0) 6(1.25,0.95)
  silkscreen extent -1.85,-1.44 0.3,1.6, body extent -1.4,-1.44 1.4,1.44, height 1.45
SSOT16 [mm] "SOP, 16-Leads, Body 5.1x4.5mm, Pitch 0.65mm, IPC Medium Density"
  rrect22% 1.4x0.45 smd: 1(-2.95,2.275) 2(-2.95,1.625) 3(-2.95,0.975) 4(-2.95,0.325) 5(-2.95,-0.325) 6(-2.95,-0.975) 7(-2.95,-1.625) 8(-2.95,-2.275) 9(2.95,-2.275) 10(2.95,-1.625) 11(2.95,-0.975) 12(2.95,-0.325) 13(2.95,0.325) 14(2.95,0.975) 15(2.95,1.625) 16(2.95,2.275)
  silkscreen extent -3.07,-2.55 1.85,3.17, body extent -3.21,-2.5 3.21,2.5, height 1
STM-LQFP144_L [mm] "Thin QFP, 144-Leads, Body 20x20mm, Pitch 0.5mm, IPC High Density"
  oval 1.55x0.25 smd: 1(-10.525,8.75) 2(-10.525,8.25) 3(-10.525,7.75) 4(-10.525,7.25) 5(-10.525,6.75) 6(-10.525,6.25) 7(-10.525,5.75) 8(-10.525,5.25) 9(-10.525,4.75) 10(-10.525,4.25) 11(-10.525,3.75) 12(-10.525,3.25) 13(-10.525,2.75) 14(-10.525,2.25) 15(-10.525,1.75) 16(-10.525,1.25) 17(-10.525,0.75) 18(-10.525,0.25) 19(-10.525,-0.25) 20(-10.525,-0.75) 21(-10.525,-1.25) 22(-10.525,-1.75) 23(-10.525,-2.25) 24(-10.525,-2.75) 25(-10.525,-3.25) 26(-10.525,-3.75) 27(-10.525,-4.25) 28(-10.525,-4.75) 29(-10.525,-5.25) 30(-10.525,-5.75) 31(-10.525,-6.25) 32(-10.525,-6.75) 33(-10.525,-7.25) 34(-10.525,-7.75) 35(-10.525,-8.25) 36(-10.525,-8.75) 73(10.525,-8.75) 74(10.525,-8.25) 75(10.525,-7.75) 76(10.525,-7.25) 77(10.525,-6.75) 78(10.525,-6.25) 79(10.525,-5.75) 80(10.525,-5.25) 81(10.525,-4.75) 82(10.525,-4.25) 83(10.525,-3.75) 84(10.525,-3.25) 85(10.525,-2.75) 86(10.525,-2.25) 87(10.525,-1.75) 88(10.525,-1.25) 89(10.525,-0.75) 90(10.525,-0.25) 91(10.525,0.25) 92(10.525,0.75) 93(10.525,1.25) 94(10.525,1.75) 95(10.525,2.25) 96(10.525,2.75) 97(10.525,3.25) 98(10.525,3.75) 99(10.525,4.25) 100(10.525,4.75) 101(10.525,5.25) 102(10.525,5.75) 103(10.525,6.25) 104(10.525,6.75) 105(10.525,7.25) 106(10.525,7.75) 107(10.525,8.25) 108(10.525,8.75)
  oval 0.25x1.55 smd: 37(-8.75,-10.525) 38(-8.25,-10.525) 39(-7.75,-10.525) 40(-7.25,-10.525) 41(-6.75,-10.525) 42(-6.25,-10.525) 43(-5.75,-10.525) 44(-5.25,-10.525) 45(-4.75,-10.525) 46(-4.25,-10.525) 47(-3.75,-10.525) 48(-3.25,-10.525) 49(-2.75,-10.525) 50(-2.25,-10.525) 51(-1.75,-10.525) 52(-1.25,-10.525) 53(-0.75,-10.525) 54(-0.25,-10.525) 55(0.25,-10.525) 56(0.75,-10.525) 57(1.25,-10.525) 58(1.75,-10.525) 59(2.25,-10.525) 60(2.75,-10.525) 61(3.25,-10.525) 62(3.75,-10.525) 63(4.25,-10.525) 64(4.75,-10.525) 65(5.25,-10.525) 66(5.75,-10.525) 67(6.25,-10.525) 68(6.75,-10.525) 69(7.25,-10.525) 70(7.75,-10.525) 71(8.25,-10.525) 72(8.75,-10.525) 109(8.75,10.525) 110(8.25,10.525) 111(7.75,10.525) 112(7.25,10.525) 113(6.75,10.525) 114(6.25,10.525) 115(5.75,10.525) 116(5.25,10.525) 117(4.75,10.525) 118(4.25,10.525) 119(3.75,10.525) 120(3.25,10.525) 121(2.75,10.525) 122(2.25,10.525) 123(1.75,10.525) 124(1.25,10.525) 125(0.75,10.525) 126(0.25,10.525) 127(-0.25,10.525) 128(-0.75,10.525) 129(-1.25,10.525) 130(-1.75,10.525) 131(-2.25,10.525) 132(-2.75,10.525) 133(-3.25,10.525) 134(-3.75,10.525) 135(-4.25,10.525) 136(-4.75,10.525) 137(-5.25,10.525) 138(-5.75,10.525) 139(-6.25,10.525) 140(-6.75,10.525) 141(-7.25,10.525) 142(-7.75,10.525) 143(-8.25,10.525) 144(-8.75,10.525)
  silkscreen extent -10.65,-9.35 9.35,9.55, body extent -10,-10 10,10, height 1.6
TC33X2503E [mm]
  rect 1.2x1.2 smd: 1(-1,-1.7) 3(1,-1.7)
  rect 1.6x1.5 smd: 2(0,1.55)
  silkscreen extent -1.8,-2.64 1.8,1.9, body extent -1.5,-2 1.5,1.8, height 1.22
USB_MICRO [mm]
  rect 0.4x1.35 smd: 1(-1.3,2.64) 2(1.3,2.64) 3(-0.65,2.64) 4(0,2.64) 5(0.65,2.64)
  round 0.275 hole 0.55 unplated: MH1(-2,2.115) MH2(2,2.115)
  rect 1.9x1.9 smd: MP1(-3.95,-0.035) MP2(-1.2,-0.035) MP3(1.2,-0.035) MP4(3.95,-0.035)
  silkscreen extent -3.9,-2.82 3.9,4, body extent -4.05,-2.83 4.05,2.82, height 2.58
WAGO-236-601 [mm]
  round 1.8 hole 1.2: 1(0,0) 2(5,0)
  silkscreen extent -4,-2.1 10,2.9, body extent -5.05,-3.49 9.04,3.81, height 12.72